# KiCad board FPGA_Board_BA.kicad_pcb (continued)
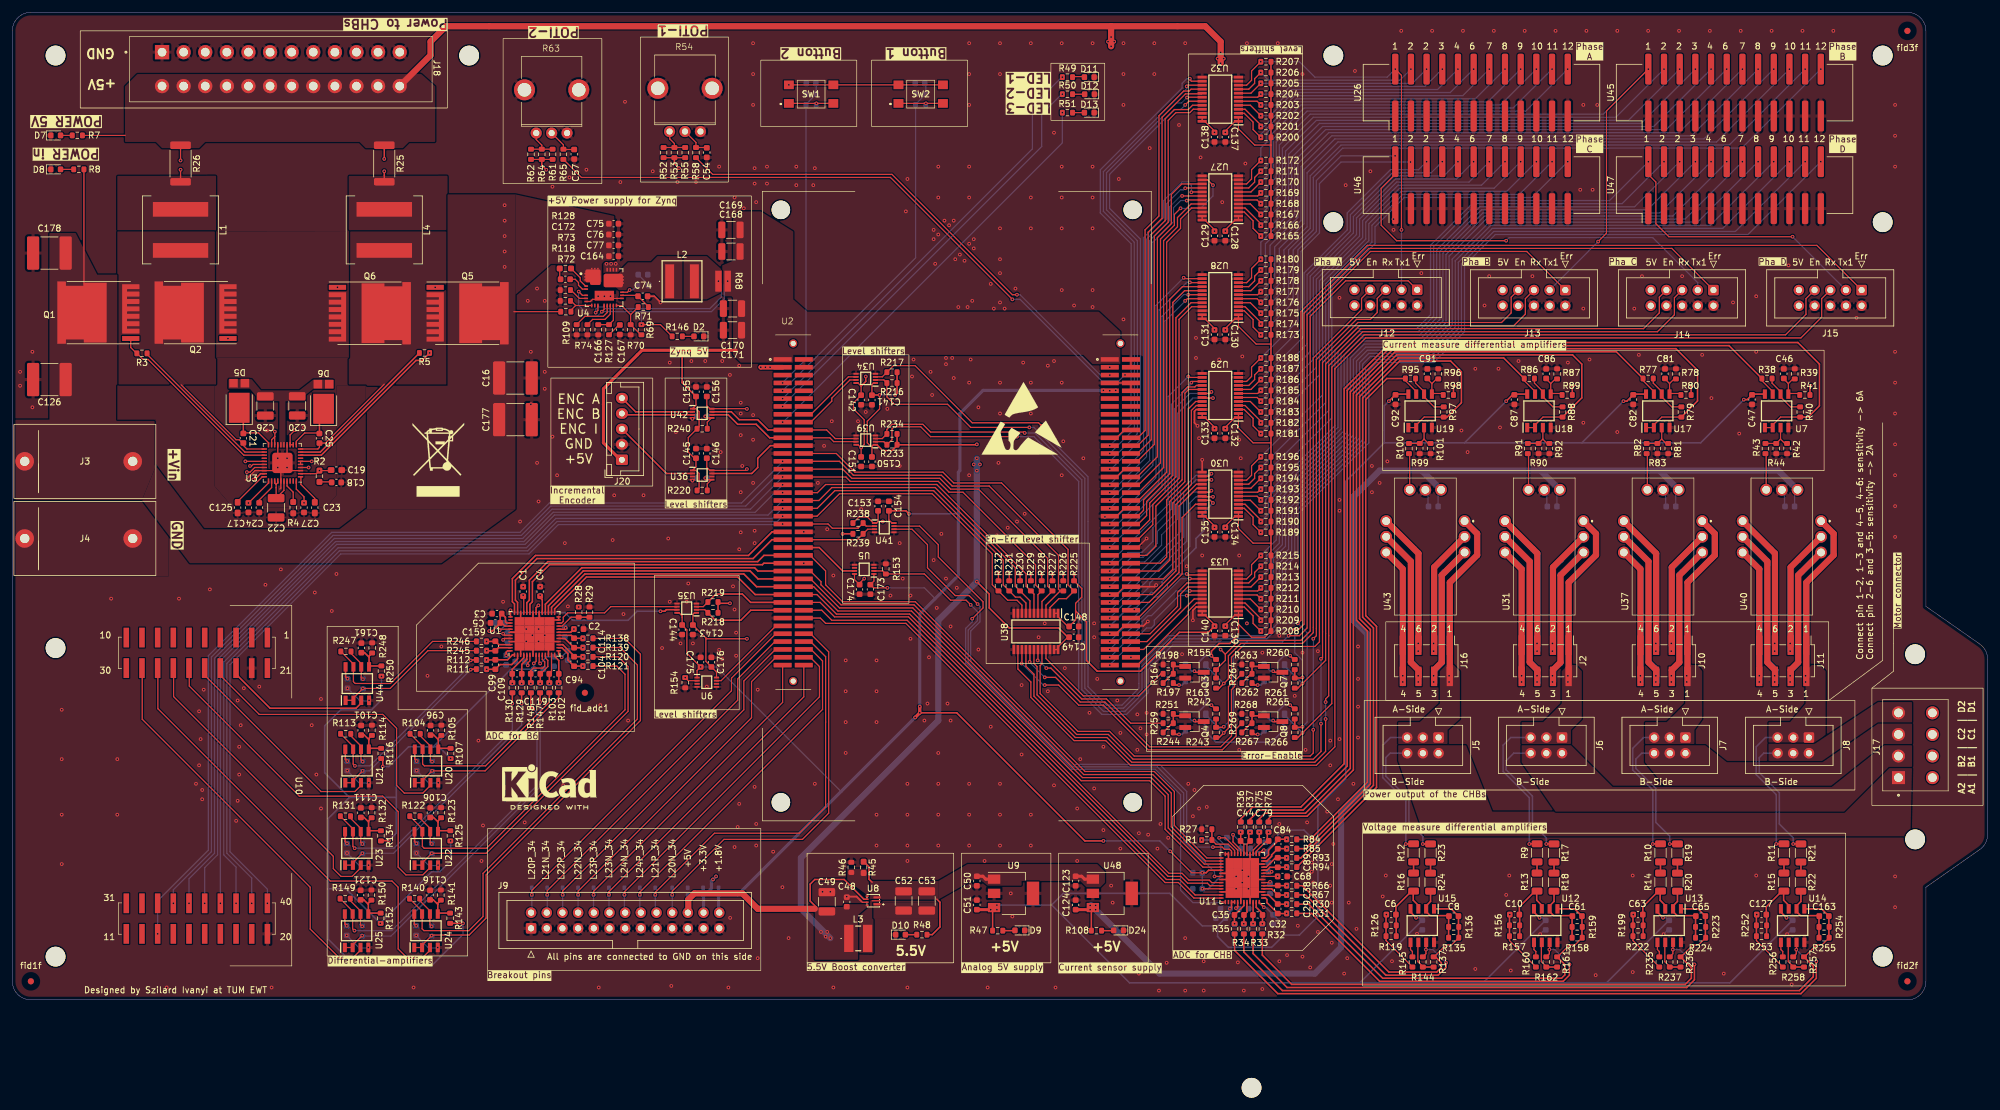
[diagram p0: board, top side]
## Footprints (pads in the part's own frame, mm; a bottom-side part is the same pattern mirrored in y, then rotated) (continued)
L_5u6_78439346056
  rect 5.5x1.45 smd: 1(-0.075,1.975) 2(-0.075,-2.025)
L_Coilcraft_XAL1010-XXX
  rect 2.38x9 smd: 1(-3.325,0) 2(3.325,0)
LED_0603_1608Metric
  rrect 0.875x0.95 smd: 1(-0.787,0) 2(0.787,0)
LT1819
  rect 1.526x0.65 smd: 1(-2.636,1.905) 2(-2.636,0.635) 3(-2.636,-0.635) 4(-2.636,-1.905) 5(2.788,-1.905) 6(2.788,-0.635) 7(2.788,0.635) 8(2.788,1.905)
MountingHole_3.2mm_M3
  round 3.2 hole 3.2 unplated: (0,0)
PinHeader_2x04_P2.54mm_Vertical_SMD
  rect 3.15x1 smd: 1(-2.525,3.81) 2(2.525,3.81) 3(-2.525,1.27) 4(2.525,1.27) 5(-2.525,-1.27) 6(2.525,-1.27) 7(-2.525,-3.81) 8(2.525,-3.81)
Plug_Terminal_2x4_Vertical
  rect 2.1x2.1 hole 1.4: 1(-5,2.7)
  round 2.1 hole 1.4: 2(-1.5,2.7) 3(2,2.7) 4(5.5,2.7) 5(-5,-2.8) 6(-1.5,-2.8) 7(2,-2.8) 8(5.5,-2.8)
PRL1632-R006-F-T1
  rect 1.05x3.4 smd: 1(-0.775,-0.05) 2(0.725,-0.05)
R_0603_1608Metric
  rrect 0.8x0.95 smd: 1(-0.825,0) 2(0.825,0)
R_0603_1608Metric_Pad0.98x0.95mm_HandSolder
  rrect 0.975x0.95 smd: 1(-0.912,0) 2(0.912,0)
R_1206_3216Metric
  rrect 1.125x1.75 smd: 1(-1.462,0) 2(1.462,0)
R_2512_6332Metric
  rrect 1.225x3.35 smd: 1(-2.962,0) 2(2.962,0)
RK09D1130A1N
  round 1.8 hole 1: 1(-2.5,-6.858) 2(0,-6.858) 3(2.5,-6.858)
  round 3.4 hole 2.2: 4(-4.4,0.142) 5(4.4,0.142)
RRX Package, 29-Pin VQFN
  rect 0.267x0.25 smd: 1(-3.116,2.3) 2(-3.116,1.8)
  rrect 2.5x2.1 smd: 1(-1.85,1.95)
  rrect 1.725x1.613 smd: 1(-1.462,1.294)
  rect 0.6x0.25 smd: 3(-2.95,1.3) 4(-2.95,0.3) 5(-2.95,-0.2) 6(-2.95,-1.2) 7(-2.95,-1.7) 8(-2.95,-2.2) 17(2.85,-1.7) 18(2.85,-1.2) 19(2.85,-0.7)
  rect 0.25x0.6 smd: 9(-2.05,-2.85) 10(-1.55,-2.85) 11(-1.05,-2.85) 12(-0.05,-2.85) 13(0.45,-2.85) 14(0.95,-2.85) 15(1.45,-2.85) 16(1.95,-2.85) 23(1.95,2.95) 24(1.45,2.95) 25(0.95,2.95) 26(0.45,2.95)
  rrect 3.1x2.2 smd: 20(1.45,1.2)
  rect 0.293x0.25 smd: 20(3.004,0.8) 21(3.004,1.3) 22(3.004,1.8)
  rect 0.25x0.258 smd: 27(-1.05,3.121) 28(-1.55,3.121) 29(-2.05,3.121)
  rect 3.125x1.584 smd: 30(-0.013,-1.258)
SBR10U200P5
  rect 4.86x3.36 smd: 1(-0.82,0)
  rect 1.4x1.39 smd: 2(3.162,0.92) 2(3.162,-0.92)
SN74LXC2T45QDCURQ1
  rect 0.85x0.3 smd: 1(-1.575,0.75) 2(-1.575,0.25) 3(-1.575,-0.25) 4(-1.575,-0.75) 5(1.575,-0.75) 6(1.575,-0.25) 7(1.575,0.25) 8(1.575,0.75)
SN74LXCH8T245
  rect 1.475x0.45 smd: 1(-3.01,3.575) 2(-3.01,2.925) 3(-3.01,2.275) 4(-3.01,1.625) 5(-3.01,0.975) 6(-3.01,0.325) 7(-3.01,-0.325) 8(-3.01,-0.975) 9(-3.01,-1.625) 10(-3.01,-2.275) 11(-3.01,-2.925) 12(-3.01,-3.575) 13(2.866,-3.575) 14(2.866,-2.925) 15(2.866,-2.275) 16(2.866,-1.625) 17(2.866,-0.975) 18(2.866,-0.325) 19(2.866,0.325) 20(2.866,0.975) 21(2.866,1.625) 22(2.866,2.275) 23(2.866,2.925) 24(2.866,3.575)
SOT-23_Handsoldering
  rect 1.9x0.8 smd: 1(-1.5,0.95) 2(-1.5,-0.95) 3(1.5,0)
SOT-223
  rect 2x1.5 smd: 1(-3.15,2.3) 2(-3.15,0) 3(-3.15,-2.3)
  rect 2x3.8 smd: 4(3.15,0)
Tamura_S22P006S05
  round 1.89 hole 1.26: 1(4.02,-6) 2(1.48,-6) 3(-1.06,-6) 4(-1.06,6.7) 5(1.48,6.7) 6(4.02,6.7) 7(9.1,2.89) 8(9.08,0.35) 9(9.1,-2.19)
TI_BOOSTXL_3PH
  rect 0.9x3.2 smd: 1(0,1.205) 2(-2.54,1.205) 3(-5.08,1.205) 4(-7.62,1.205) 5(-10.16,1.205) 6(-12.7,1.205) 7(-15.24,1.205) 8(-17.78,1.205) 9(-20.32,1.205) 10(-22.86,1.205) 11(-22.86,-46.805) 12(-20.32,-46.805) 13(-17.78,-46.805) 14(-15.24,-46.805) 15(-12.7,-46.805) 16(-10.16,-46.805) 17(-7.62,-46.805) 18(-5.08,-46.805) 19(-2.54,-46.805) 20(0,-46.805) 21(0,-3.745) 22(-2.54,-3.745) 23(-5.08,-3.745) 24(-7.62,-3.745) 25(-10.16,-3.745) 26(-12.7,-3.745) 27(-15.24,-3.745) 28(-17.78,-3.745) 29(-20.32,-3.745) 30(-22.86,-3.745) 31(-22.86,-41.855) 32(-20.32,-41.855) 33(-17.78,-41.855) 34(-15.24,-41.855) 35(-12.7,-41.855) 36(-10.16,-41.855) 37(-7.62,-41.855) 38(-5.08,-41.855) 39(-2.54,-41.855) 40(0,-41.855)
TL3305BF160QG
  rect 1.6x1.4 smd: 1(-3.6,-1.5) 2(3.6,-1.5) 3(-3.6,1.5) 4(3.6,1.5)
TPS61022
  rect 1.15x0.35 smd: 1(-0.65,0.55) 3(-0.65,-0.55)
  rect 1.45x0.2 smd: 2(-0.5,0)
  rect 0.45x0.25 smd: 4(0.95,-0.75) 5(0.95,-0.25) 6(0.95,0.25) 7(0.95,0.75)
UKG_52_7mm_8mm
  rect 0.7x0.25 smd: 1(-3.4,3.214) 2(-3.4,2.714) 3(-3.4,2.214) 4(-3.4,1.714) 5(-3.4,1.214) 6(-3.4,0.714) 7(-3.4,0.214) 8(-3.4,-0.286) 9(-3.4,-0.786) 10(-3.4,-1.286) 11(-3.4,-1.786) 12(-3.4,-2.286) 13(-3.4,-2.786) 14(-3.4,-3.286) 27(3.4,-3.286) 28(3.4,-2.786) 29(3.4,-2.286) 30(3.4,-1.786) 31(3.4,-1.286) 32(3.4,-0.786) 33(3.4,-0.286) 34(3.4,0.214) 35(3.4,0.714) 36(3.4,1.214) 37(3.4,1.714) 38(3.4,2.214) 39(3.4,2.714) 40(3.4,3.214)
  rect 0.25x0.7 smd: 15(-2.75,-3.936) 16(-2.25,-3.936) 17(-1.75,-3.936) 18(-1.25,-3.936) 19(-0.75,-3.936) 20(-0.25,-3.936) 21(0.25,-3.936) 22(0.75,-3.936) 23(1.25,-3.936) 24(1.75,-3.936) 25(2.25,-3.936) 26(2.75,-3.936) 41(2.75,3.864) 42(2.25,3.864) 43(1.75,3.864) 44(1.25,3.864) 45(0.75,3.864) 46(0.25,3.864) 47(-0.25,3.864) 48(-0.75,3.864) 49(-1.252,3.864) 50(-1.75,3.864) 51(-2.25,3.864) 52(-2.75,3.864)
  rect 1.353x1.613 smd: 53(-2.029,2.382) 53(-2.029,0.77) 53(-2.029,-0.843) 53(-2.029,-2.455) 53(-0.676,2.382) 53(-0.676,0.77) 53(-0.676,-0.843) 53(-0.676,-2.455) 53(0.676,2.382) 53(0.676,0.77) 53(0.676,-0.843) 53(0.676,-2.455) 53(2.029,2.382) 53(2.029,0.77) 53(2.029,-0.843) 53(2.029,-2.455)
VQFN 40 pin 5.8mm x 5.8mm
  rrect 0.875x0.25 smd: 1(-2.938,2.25) 2(-2.938,1.75) 3(-2.938,1.25) 4(-2.938,0.75) 5(-2.938,0.25) 6(-2.938,-0.25) 7(-2.938,-0.75) 8(-2.938,-1.25) 9(-2.938,-1.75) 10(-2.938,-2.25) 21(2.938,-2.25) 22(2.938,-1.75) 23(2.938,-1.25) 24(2.938,-0.75) 25(2.938,-0.25) 26(2.938,0.25) 27(2.938,0.75) 28(2.938,1.25) 29(2.938,1.75) 30(2.938,2.25)
  rrect 0.25x0.875 smd: 11(-2.25,-2.938) 12(-1.75,-2.938) 13(-1.25,-2.938) 14(-0.75,-2.938) 15(-0.25,-2.938) 16(0.25,-2.938) 17(0.75,-2.938) 18(1.25,-2.938) 19(1.75,-2.938) 20(2.25,-2.938) 31(2.25,2.938) 32(1.75,2.938) 33(1.25,2.938) 34(0.75,2.938) 35(0.25,2.938) 36(-0.25,2.938) 37(-0.75,2.938) 38(-1.25,2.938) 39(-1.75,2.938) 40(-2.25,2.938)
  rrect 3.3x3.3 smd: 41(0,0)
Zynq7020
  round 3 hole 3 unplated: (-2,49) (-2,-47) (55,49) (55,-47)
  round 1.3 hole 0.84: 81(0,27.355) 81(53,27.355) 82(0,-27.355) 82(53,-27.355)
  rect 2.92x0.74 smd: a1(-1.715,24.765) a2(1.715,24.765) a3(-1.715,23.495) a4(1.715,23.495) a5(-1.715,22.225) a6(1.715,22.225) a7(-1.715,20.955) a8(1.715,20.955) a9(-1.715,19.685) a10(1.715,19.685) a11(-1.715,18.415) a12(1.715,18.415) a13(-1.715,17.145) a14(1.715,17.145) a15(-1.715,15.875) a16(1.715,15.875) a17(-1.715,14.605) a18(1.715,14.605) a19(-1.715,13.335) a20(1.715,13.335) a21(-1.715,12.065) a22(1.715,12.065) a23(-1.715,10.795) a24(1.715,10.795) a25(-1.715,9.525) a26(1.715,9.525) a27(-1.715,8.255) a28(1.715,8.255) a29(-1.715,6.985) a30(1.715,6.985) a31(-1.715,5.715) a32(1.715,5.715) a33(-1.715,4.445) a34(1.715,4.445) a35(-1.715,3.175) a36(1.715,3.175) a37(-1.715,1.905) a38(1.715,1.905) a39(-1.715,0.635) a40(1.715,0.635) a41(-1.715,-0.635) a42(1.715,-0.635) a43(-1.715,-3.175) a44(1.715,-3.175) a45(-1.715,-1.905) a46(1.715,-1.905) a47(-1.715,-4.445) a48(1.715,-4.445) a49(-1.715,-5.715) a50(1.715,-5.715) a51(-1.715,-6.985) a52(1.715,-6.985) a53(-1.715,-8.255) a54(1.715,-8.255) a55(-1.715,-9.525) a56(1.715,-9.525) a57(-1.715,-10.795) a58(1.715,-10.795) a59(-1.715,-13.335) a60(1.715,-12.065) a61(-1.715,-12.065) a62(1.715,-13.335) a63(-1.715,-14.605) a64(1.715,-14.605) a65(-1.715,-15.875) a66(1.715,-15.875) a67(-1.715,-17.145) a68(1.715,-18.415) a69(-1.715,-18.415) a70(1.715,-17.145) a71(-1.715,-19.685) a72(1.715,-19.685) a73(-1.715,-20.955) a74(1.715,-20.955) a75(-1.715,-22.225) a76(1.715,-22.225) a77(-1.715,-23.495) a78(1.715,-23.495) a79(-1.715,-24.765) a80(1.715,-24.765) b1(51.285,24.765) b2(54.715,24.765) b3(51.285,23.495) b4(54.715,23.495) b5(51.285,22.225) b6(54.715,22.225) b7(51.285,20.955) b8(54.715,20.955) b9(51.285,19.685) b10(54.715,19.685) b11(51.285,18.415) b12(54.715,18.415) b13(51.285,17.145) b14(54.715,17.145) b15(51.285,15.875) b16(54.715,15.875) b17(51.285,14.605) b18(54.715,14.605) b19(51.285,13.335) b20(54.715,13.335) b21(51.285,12.065) b22(54.715,12.065) b23(51.285,10.795) b24(54.715,10.795) b25(51.285,9.525) b26(54.715,9.525) b27(51.285,8.255) b28(54.715,8.255) b29(51.285,6.985) b30(54.715,6.985) b31(51.285,5.715) b32(54.715,5.715) b33(51.285,4.445) b34(54.715,4.445) b35(51.285,3.175) b36(54.715,3.175) b37(51.285,1.905) b38(54.715,1.905) b39(51.285,0.635) b40(54.715,0.635) b41(51.285,-0.635) b42(54.715,-0.635) b43(51.285,-1.905) b44(54.715,-1.905) b45(51.285,-3.175) b46(54.715,-3.175) b47(51.285,-4.445) b48(54.715,-4.445) b49(51.285,-5.715) b50(54.715,-5.715) b51(51.285,-6.985) b52(54.715,-6.985) b53(51.285,-8.255) b54(54.715,-8.255) b55(51.285,-9.525) b56(54.715,-9.525) b57(51.285,-10.795) b58(54.715,-10.795) b59(51.285,-12.065) b60(54.715,-12.065) b61(51.285,-13.335) b62(54.715,-13.335) b63(51.285,-14.605) b64(54.715,-14.605) b65(51.285,-15.875) b66(54.715,-15.875) b67(51.285,-17.145) b68(54.715,-17.145) b69(51.285,-18.415) b70(54.715,-18.415) b71(51.285,-19.685) b72(54.715,-19.685) b73(51.285,-20.955) b74(54.715,-20.955) b75(51.285,-22.225) b76(54.715,-22.225) b77(51.285,-23.495) b78(54.715,-24.765) b79(51.285,-24.765) b80(54.715,-23.495)

## Nets
+1V8: C1.1 C4.1 C59.1 C67.1 C144.1 C154.1 C173.2 C175.2 D4.1 J9.26 R1.2 R28.2 U1.31 U1.37 U2.b9 U5.1 U6.1 U11.31 U11.37 U35.8 U41.8
+3.3V: C129.1 C131.1 C133.1 C135.1 C138.1 C140.1 C142.1 C143.2 C146.1 C148.2 C151.1 C153.2 C156.1 C174.1 C176.1 D3.1 J9.24 R218.1 R219.1 R225.1 R226.1 R227.1 R228.1 R229.1 R230.1 R231.1 R232.1 R238.1 R239.1 SW1.3 SW1.4 SW2.3 SW2.4 U2.a3 U2.b3 U5.8 U6.8 U27.23 U27.24 U28.23 U28.24 U29.23 U29.24 U30.23 U30.24 U32.23 U32.24 U33.23 U33.24 U34.8 U35.1 U36.8 U38.1 U38.2 U39.8 U41.1 U42.8
+5V: C48.1 C49.1 C128.2 C130.2 C132.2 C134.2 C137.2 C139.2 C141.2 C149.1 C150.2 D1.1 D25.2 D28.2 D30.2 D32.2 J9.22 J12.9 J12.10 J13.9 J13.10 J14.9 J14.10 J15.9 J15.10 J18.2 J18.4 J18.6 J18.8 J18.10 J18.12 J18.14 J18.16 J18.18 J18.20 J18.22 J18.24 L3.1 R7.1 R25.1 R26.1 R155.1 R165.1 R166.1 R167.1 R168.1 R169.1 R170.1 R171.1 R172.1 R173.1 R174.1 R175.1 R176.1 R177.1 R178.1 R179.1 R180.1 R181.1 R182.1 R183.1 R184.1 R185.1 R186.1 R187.1 R188.1 R189.1 R190.1 R191.1 R192.1 R193.1 R194.1 R195.1 R196.1 R200.1 R201.1 R202.1 R203.1 R204.1 R205.1 R206.1 R207.1 R208.1 R209.1 R210.1 R211.1 R212.1 R213.1 R214.1 R215.1 R216.1 R217.1 R233.1 R234.1 R242.1 R260.1 R265.1 U3.5 U3.6 U3.26 U8.5 U8.7 U27.1 U27.2 U28.1 U28.2 U29.1 U29.2 U30.1 U30.2 U32.1 U32.2 U33.1 U33.2 U34.1 U38.23 U38.24 U39.1
+5V_Zynq: C145.2 C155.2 C168.2 C169.2 C170.2 C171.2 J20.1 R68.2 R69.1 R146.1 R220.1 R240.1 U2.a1 U2.b1 U4.6 U4.12 U36.1 U42.1
+5VA: C2.1 C3.1 C5.1 C7.1 C9.1 C40.2 C41.2 C42.2 C47.1 C51.1 C58.1 C60.1 C62.1 C64.1 C66.1 C73.2 C82.1 C87.1 C92.1 C97.1 C102.1 C107.1 C112.1 C117.1 C122.1 C162.1 R47.1 R52.1 R53.1 R55.1 R61.1 R62.1 R64.1 U1.15 U1.21 U1.43 U1.44 U1.52 U7.8 U9.3 U11.15 U11.21 U11.43 U11.44 U11.52 U12.4 U13.4 U14.4 U15.4 U17.8 U18.8 U19.8 U20.8 U21.8 U22.8 U23.8 U24.8 U25.8 U44.8
+5VA_2: C124.1 C136.2 C147.2 C152.2 C157.2 R108.1 U31.9 U37.9 U40.9 U43.9 U48.3
/Analog Voltage/5.5V: C50.1 C52.1 C53.1 C123.1 R45.1 R48.1 U8.3 U9.1 U48.1
/Main_DCDC/Vin: C16.1 C17.1 C27.1 C75.1 C76.1 C77.1 C126.1 C164.1 C177.1 C178.1 J3.1 Q1.3 Q5.3 R8.1 R72.1 U3.25 U3.31 U3.40 U4.1 U4.2 U4.3 U4.27 U4.28 U4.29
GND: C1.2 C2.2 C3.2 C4.2 C5.2 C7.2 C9.2 C11.2 C12.1 C13.1 C14.1 C15.1 C16.2 C17.2 C18.2 C19.2 C20.2 C22.2 C23.2 C24.2 C26.2 C27.2 C28.2 C30.2 C31.2 C33.2 C34.2 C36.2 C37.2 C39.2 C40.1 C41.1 C42.1 C43.2 C45.2 C46.2 C47.2 C48.2 C49.2 C50.2 C51.2 C52.2 C53.2 C54.2 C55.2 C56.2 C57.2 C58.2 C59.2 C60.2 C62.2 C64.2 C66.2 C67.2 C68.2 C69.1 C70.1 C71.1 C72.1 C73.1 C74.2 C75.2 C76.2 C77.2 C78.2 C80.2 C81.2 C82.2 C83.2 C85.2 C86.2 C87.2 C88.2 C90.2 C91.2 C92.2 C93.2 C95.2 C96.2 C97.2 C98.2 C100.2 C101.2 C102.2 C103.2 C105.2 C106.2 C107.2 C108.2 C110.2 C111.2 C112.2 C113.2 C115.2 C116.2 C117.2 C118.2 C120.2 C121.2 C122.2 C123.2 C124.2 C125.2 C126.2 C128.1 C129.2 C130.1 C131.2 C132.1 C133.2 C134.1 C135.2 C136.1 C137.1 C138.2 C139.1 C140.2 C141.1 C142.2 C143.1 C144.2 C145.1 C146.2 C147.1 C148.1 C149.2 C150.1 C151.2 C152.1 C153.1 C154.2 C155.1 C156.2 C157.1 C158.2 C160.2 C161.2 C162.2 C164.2 C165.2 C166.1 C167.2 C168.1 C169.1 C170.1 C171.1 C173.1 C174.2 C175.1 C176.2 C177.2 C178.2 D1.2 D2.1 D3.2 D4.2 D7.1 D8.1 D9.1 D10.1 D11.1 D12.1 D13.1 D14.2 D15.2 D16.2 D17.2 D18.2 D19.2 D20.2 D21.2 D22.2 D23.2 D24.1 J4.1 J9.1 J9.3 J9.5 J9.7 J9.9 J9.11 J9.13 J9.15 J9.17 J9.19 J9.21 J9.23 J9.25 J12.2 J12.4 J12.6 J12.8 J13.2 J13.4 J13.6 J13.8 J14.2 J14.4 J14.6 J14.8 J15.2 J15.4 J15.6 J15.8 J18.1 J18.3 J18.5 J18.7 J18.9 J18.11 J18.13 J18.15 J18.17 J18.19 J18.21 J18.23 J20.2 Q2.2 Q3.2 Q4.2 Q6.2 Q7.2 Q8.2 R4.1 R6.2 R27.2 R29.2 R39.1 R42.2 R44.2 R46.2 R54.3 R54.4 R54.5 R57.2 R60.2 R63.3 R63.4 R63.5 R70.2 R73.1 R74.1 R78.1 R81.2 R83.2 R87.1 R90.2 R92.2 R96.1 R99.2 R101.2 R105.1 R109.1 R110.2 R114.1 R118.1 R123.1 R132.1 R141.1 R150.1 R153.2 R154.2 R198.2 R221.1 R241.1 R248.1 R251.2 R263.2 R268.2 U1.3 U1.7 U1.12 U1.18 U1.25 U1.26 U1.32 U1.34 U1.38 U1.46 U1.49 U1.53 U2.a2 U2.a4 U2.a24 U2.a25 U2.a34 U2.a35 U2.a44 U2.a54 U2.a67 U2.a68 U2.b2 U2.b4 U2.b7 U2.b8 U2.b10 U2.b20 U2.b21 U2.b30 U2.b31 U2.b40 U2.b41 U2.b50 U2.b60 U2.b61 U2.b70 U2.b71 U2.b80 U3.3 U3.14 U3.17 U3.28 U3.35 U3.41 U4.8 U4.17 U4.23 U4.24 U4.25 U4.26 U4.30 U5.4 U5.5 U6.4 U6.5 U7.4 U8.1 U8.6 U9.2 U9.4 U10.20 U10.22 U11.3 U11.7 U11.12 U11.18 U11.25 U11.26 U11.32 U11.34 U11.38 U11.46 U11.49 U11.53 U12.8 U13.8 U14.8 U15.8 U17.4 U18.4 U19.4 U20.4 U21.4 U22.4 U23.4 U24.4 U25.4 U26.1 U26.3 U26.5 U26.7 U26.9 U26.11 U26.13 U26.15 U26.17 U26.19 U26.21 U26.23 U27.11 U27.12 U27.13 U27.22 U28.11 U28.12 U28.13 U28.22 U29.11 U29.12 U29.13 U29.22 U30.11 U30.12 U30.13 U30.22 U31.8 U32.11 U32.12 U32.13 U32.22 U33.11 U33.12 U33.13 U33.22 U34.4 U34.5 U35.4 U35.5 U36.4 U37.8 U38.11 U38.12 U38.13 U38.22 U39.4 U39.5 U40.8 U41.4 U41.5 U42.4 U43.8 U44.4 U45.1 U45.3 U45.5 U45.7 U45.9 U45.11 U45.13 U45.15 U45.17 U45.19 U45.21 U45.23 U46.1 U46.3 U46.5 U46.7 U46.9 U46.11 U46.13 U46.15 U46.17 U46.19 U46.21 U46.23 U47.1 U47.3 U47.5 U47.7 U47.9 U47.11 U47.13 U47.15 U47.17 U47.19 U47.21 U47.23 U48.2 U48.4
/ADC for B6/CLK_IN: R218.2 U2.a65 U35.2
/ADC for B6/CLK_OUT: U2.a69 U6.7
/ADC for B6/Diffamp_1/Ain+: C158.1 C159.1 R245.1 U1.51
/ADC for B6/Diffamp_1/Ain-: C159.2 C160.1 R246.1 U1.50
/ADC for B6/Diffamp_2/Ain+: C93.1 C94.1 R102.1 U1.14
/ADC for B6/Diffamp_2/Ain-: C94.2 C95.1 R103.1 U1.13
/ADC for B6/Diffamp_3/Ain+: C98.1 C99.1 R111.1 U1.2
/ADC for B6/Diffamp_3/Ain-: C99.2 C100.1 R112.1 U1.1
/ADC for B6/Diffamp_4/Ain+: C103.1 C104.1 R120.1 U1.17
/ADC for B6/Diffamp_4/Ain-: C104.2 C105.1 R121.1 U1.16
/ADC for B6/Diffamp_5/Ain+: C108.1 C109.1 R129.1 U1.5
/ADC for B6/Diffamp_5/Ain-: C109.2 C110.1 R130.1 U1.4
/ADC for B6/Diffamp_6/Ain+: C113.1 C114.1 R138.1 U1.20
/ADC for B6/Diffamp_6/Ain-: C114.2 C115.1 R139.1 U1.19
/ADC for B6/Diffamp_7/Ain+: C118.1 C119.1 R147.1 U1.11
/ADC for B6/Diffamp_7/Ain-: C119.2 C120.1 R148.1 U1.10
/ADC for B6/I_A: U10.27 U23.3
/ADC for B6/I_B: U10.28 U24.3
/ADC for B6/I_C: U10.29 U25.3
/ADC for B6/Level Shift for DIO/B1: U1.41 U35.7
/ADC for B6/Level Shift for DIO/B2: U1.24 U35.6
/ADC for B6/LS CLKOUT/A1: R154.1 U1.33 U6.2
/ADC for B6/SDO1: U1.27 U2.a59
/ADC for B6/SDO2: U1.28 U2.a61
/ADC for B6/SDO3: U1.29 U2.a57
/ADC for B6/SDO4: U1.30 U2.a55
/ADC for B6/SDO5: U1.35 U2.a53
/ADC for B6/SDO6: U1.36 U2.a51
/ADC for B6/SDO7: U1.39 U2.a47
/ADC for B6/SDO8: U1.40 U2.a43
/ADC for B6/V_A: U10.24 U20.3
/ADC for B6/V_B: U10.25 U21.3
/ADC for B6/V_C: U10.26 U22.3
/ADC for B6/V_DC: U10.23 U44.3
/ADC for B6/~{CNV}: R219.2 U2.a63 U35.3
/ADC for Machine/CLK_IN_1: R238.2 U2.a46 U41.2
/ADC for Machine/CLK_OUT_1: U2.a50 U5.7
/ADC for Machine/Diffamp5/Ain+: C43.1 C44.1 R36.1 U11.20
/ADC for Machine/Diffamp5/Ain-: C44.2 C45.1 R37.1 U11.19
/ADC for Machine/Diffamp6/Ain+: C78.1 C79.1 R75.1 U11.17
/ADC for Machine/Diffamp6/Ain-: C79.2 C80.1 R76.1 U11.16
/ADC for Machine/Diffamp7/Ain+: C83.1 C84.1 R84.1 U11.14
/ADC for Machine/Diffamp7/Ain-: C84.2 C85.1 R85.1 U11.13
/ADC for Machine/Diffamp8/Ain+: C88.1 C89.1 R93.1 U11.11
/ADC for Machine/Diffamp8/Ain-: C89.2 C90.1 R94.1 U11.10
/ADC for Machine/Iin_a: R100.1 U43.7
/ADC for Machine/Iin_b: R91.1 U31.7
/ADC for Machine/Iin_c: R82.1 U37.7
/ADC for Machine/Iin_d: R43.1 U40.7
/ADC for Machine/Level Shift for DIO/B1: U11.41 U41.7
/ADC for Machine/Level Shift for DIO/B2: U11.24 U41.6
/ADC for Machine/LS CLKOUT/A1: R153.1 U5.2 U11.33
/ADC for Machine/PHA_V+: C37.1 C38.1 R66.1 U11.5
/ADC for Machine/PHA_V-: C38.2 C39.1 R67.1 U11.4
/ADC for Machine/PHB_V+: C28.1 C29.1 R30.1 U11.2
/ADC for Machine/PHB_V-: C29.2 C30.1 R31.1 U11.1
/ADC for Machine/PHC_V+: C31.1 C32.1 R32.1 U11.51
/ADC for Machine/PHC_V-: C32.2 C33.1 R33.1 U11.50
/ADC for Machine/PHD_V+: C34.1 C35.1 R34.1 U11.48
/ADC for Machine/PHD_V-: C35.2 C36.1 R35.1 U11.47
/ADC for Machine/SDO1_1: U2.a52 U11.27
/ADC for Machine/SDO2_1: U2.a56 U11.28
/ADC for Machine/SDO3_1: U2.a58 U11.29
/ADC for Machine/SDO4_1: U2.a60 U11.30
/ADC for Machine/SDO5_1: U2.a62 U11.35
/ADC for Machine/SDO6_1: U2.a64 U11.36
/ADC for Machine/SDO7_1: U2.a66 U11.39
/ADC for Machine/SDO8_1: U2.a70 U11.40
/ADC for Machine/~{CNV}_1: R239.2 U2.a48 U41.3
/CHB Communication/En-Err-circuit-1/En_in: R164.2 U38.21
/CHB Communication/En-Err-circuit-1/En_out: D26.2 J12.7 R163.2
/CHB Communication/En-Err-circuit-1/Err: J12.1 R155.2 R163.1 R233.2 U39.2
/CHB Communication/En-Err-circuit-2/En_in: R259.2 U38.19
/CHB Communication/En-Err-circuit-2/En_out: D27.2 J13.7 R243.2
/CHB Communication/En-Err-circuit-2/Err: J13.1 R234.2 R242.2 R243.1 U39.3
/CHB Communication/En-Err-circuit-3/En_in: R264.2 U38.17
/CHB Communication/En-Err-circuit-3/En_out: D29.2 J14.7 R261.2
/CHB Communication/En-Err-circuit-3/Err: J14.1 R216.2 R260.2 R261.1 U34.2
/CHB Communication/En-Err-circuit-4/En_in: R269.2 U38.15
/CHB Communication/En-Err-circuit-4/En_out: D31.2 J15.7 R266.2
/CHB Communication/En-Err-circuit-4/Err: J15.1 R217.2 R265.2 R266.1 U34.3
/CHB Communication/En_Ph1: R225.2 U2.a26 U38.3
/CHB Communication/En_Ph2: R227.2 U2.a30 U38.5
/CHB Communication/En_Ph3: R229.2 U2.a36 U38.7
/CHB Communication/En_Ph4: R231.2 U2.a40 U38.9
/CHB Communication/Err_Ph1: U2.a22 U39.7
/CHB Communication/Err_Ph2: U2.a20 U39.6
/CHB Communication/Err_Ph3: U2.a18 U34.7
/CHB Communication/Err_Ph4: U2.a16 U34.6
/CHB Communication/Level_Shifter_8bit_1/A1: R200.2 U26.16 U32.3
/CHB Communication/Level_Shifter_8bit_1/A2: R201.2 U26.14 U32.4
/CHB Communication/Level_Shifter_8bit_1/A3: R202.2 U26.12 U32.5
/CHB Communication/Level_Shifter_8bit_1/A4: R203.2 U26.10 U32.6
/CHB Communication/Level_Shifter_8bit_1/A5: R204.2 U26.8 U32.7
/CHB Communication/Level_Shifter_8bit_1/A6: R205.2 U26.6 U32.8
/CHB Communication/Level_Shifter_8bit_1/A7: R206.2 U26.4 U32.9
/CHB Communication/Level_Shifter_8bit_2/A1: R165.2 U27.3 U45.8
/CHB Communication/Level_Shifter_8bit_2/A2: R166.2 U27.4 U45.6
/CHB Communication/Level_Shifter_8bit_2/A3: R167.2 U27.5 U45.4
/CHB Communication/Level_Shifter_8bit_2/A5: R169.2 U26.24 U27.7
/CHB Communication/Level_Shifter_8bit_2/A6: R170.2 U26.22 U27.8
/CHB Communication/Level_Shifter_8bit_2/A7: R171.2 U26.20 U27.9
/CHB Communication/Level_Shifter_8bit_2/A8: R172.2 U26.18 U27.10
/CHB Communication/Level_Shifter_8bit_3/A1: R173.2 U28.3 U45.24
/CHB Communication/Level_Shifter_8bit_3/A2: R174.2 U28.4 U45.22
/CHB Communication/Level_Shifter_8bit_3/A3: R175.2 U28.5 U45.20
/CHB Communication/Level_Shifter_8bit_3/A4: R176.2 U28.6 U45.18
/CHB Communication/Level_Shifter_8bit_3/A5: R177.2 U28.7 U45.16
/CHB Communication/Level_Shifter_8bit_3/A6: R178.2 U28.8 U45.14
/CHB Communication/Level_Shifter_8bit_3/A7: R179.2 U28.9 U45.12
/CHB Communication/Level_Shifter_8bit_3/A8: R180.2 U28.10 U45.10
/CHB Communication/Level_Shifter_8bit_4/A1: R181.2 U29.3 U46.16
/CHB Communication/Level_Shifter_8bit_4/A2: R182.2 U29.4 U46.14
/CHB Communication/Level_Shifter_8bit_4/A3: R183.2 U29.5 U46.12
/CHB Communication/Level_Shifter_8bit_4/A4: R184.2 U29.6 U46.10
/CHB Communication/Level_Shifter_8bit_4/A5: R185.2 U29.7 U46.8
/CHB Communication/Level_Shifter_8bit_4/A6: R186.2 U29.8 U46.6
/CHB Communication/Level_Shifter_8bit_4/A7: R187.2 U29.9 U46.4
/CHB Communication/Level_Shifter_8bit_5/A1: R189.2 U30.3 U47.8
/CHB Communication/Level_Shifter_8bit_5/A2: R190.2 U30.4 U47.6
/CHB Communication/Level_Shifter_8bit_5/A3: R191.2 U30.5 U47.4
/CHB Communication/Level_Shifter_8bit_5/A5: R193.2 U30.7 U46.24
/CHB Communication/Level_Shifter_8bit_5/A6: R194.2 U30.8 U46.22
/CHB Communication/Level_Shifter_8bit_5/A7: R195.2 U30.9 U46.20
/CHB Communication/Level_Shifter_8bit_5/A8: R196.2 U30.10 U46.18
/CHB Communication/Level_Shifter_8bit_6/A1: R208.2 U33.3 U47.24
/CHB Communication/Level_Shifter_8bit_6/A2: R209.2 U33.4 U47.22
/CHB Communication/Level_Shifter_8bit_6/A3: R210.2 U33.5 U47.20
/CHB Communication/Level_Shifter_8bit_6/A4: R211.2 U33.6 U47.18
/CHB Communication/Level_Shifter_8bit_6/A5: R212.2 U33.7 U47.16
/CHB Communication/Level_Shifter_8bit_6/A6: R213.2 U33.8 U47.14
/CHB Communication/Level_Shifter_8bit_6/A7: R214.2 U33.9 U47.12
/CHB Communication/Level_Shifter_8bit_6/A8: R215.2 U33.10 U47.10
/CHB Communication/Level_shifter_Rx_En/B2: J12.5 U38.20
/CHB Communication/Level_shifter_Rx_En/B4: J13.5 U38.18
/CHB Communication/Level_shifter_Rx_En/B6: J14.5 U38.16
/CHB Communication/Level_shifter_Rx_En/B8: J15.5 U38.14
/CHB Communication/Ph_A_Tx1: U2.b23 U32.14
/CHB Communication/Ph_A_Tx1_5V: J12.3 R207.2 U26.2 U32.10
/CHB Communication/Ph_A_Tx2: U2.b25 U32.15
/CHB Communication/Ph_A_Tx3: U2.b22 U32.16
/CHB Communication/Ph_A_Tx4: U2.b24 U32.17
/CHB Communication/Ph_A_Tx5: U2.b27 U32.18
/CHB Communication/Ph_A_Tx6: U2.b29 U32.19
/CHB Communication/Ph_A_Tx7: U2.b26 U32.20
/CHB Communication/Ph_A_Tx8: U2.b28 U32.21
/CHB Communication/Ph_A_Tx9: U2.b34 U27.14
/CHB Communication/Ph_A_Tx10: U2.b32 U27.15
/CHB Communication/Ph_A_Tx11: U2.b35 U27.16
/CHB Communication/Ph_A_Tx12: U2.b33 U27.17
/CHB Communication/Ph_B_Tx1: U2.b37 U27.18
/CHB Communication/Ph_B_Tx1_5V: J13.3 R168.2 U27.6 U45.2
/CHB Communication/Ph_B_Tx2: U2.b39 U27.19
/CHB Communication/Ph_B_Tx3: U2.b36 U27.20
/CHB Communication/Ph_B_Tx4: U2.b38 U27.21
/CHB Communication/Ph_B_Tx5: U2.b43 U28.14
/CHB Communication/Ph_B_Tx6: U2.b45 U28.15
/CHB Communication/Ph_B_Tx7: U2.b42 U28.16
/CHB Communication/Ph_B_Tx8: U2.b44 U28.17
/CHB Communication/Ph_B_Tx9: U2.b47 U28.18
/CHB Communication/Ph_B_Tx10: U2.b49 U28.19
/CHB Communication/Ph_B_Tx11: U2.b46 U28.20
/CHB Communication/Ph_B_Tx12: U2.b48 U28.21
/CHB Communication/Ph_C_Tx1: U2.b53 U29.14
/CHB Communication/Ph_C_Tx1_5V: J14.3 R188.2 U29.10 U46.2
/CHB Communication/Ph_C_Tx2: U2.b55 U29.15
/CHB Communication/Ph_C_Tx3: U2.b52 U29.16
/CHB Communication/Ph_C_Tx4: U2.b54 U29.17
/CHB Communication/Ph_C_Tx5: U2.b57 U29.18
/CHB Communication/Ph_C_Tx6: U2.b59 U29.19
/CHB Communication/Ph_C_Tx7: U2.b56 U29.20
/CHB Communication/Ph_C_Tx8: U2.b58 U29.21
/CHB Communication/Ph_C_Tx9: U2.b63 U30.14
/CHB Communication/Ph_C_Tx10: U2.b65 U30.15
/CHB Communication/Ph_C_Tx11: U2.b62 U30.16
/CHB Communication/Ph_C_Tx12: U2.b64 U30.17
/CHB Communication/Ph_D_Tx1: U2.b67 U30.18
/CHB Communication/Ph_D_Tx1_5V: J15.3 R192.2 U30.6 U47.2
/CHB Communication/Ph_D_Tx2: U2.b69 U30.19
/CHB Communication/Ph_D_Tx3: U2.b66 U30.20
/CHB Communication/Ph_D_Tx4: U2.b68 U30.21
/CHB Communication/Ph_D_Tx5: U2.b73 U33.14
/CHB Communication/Ph_D_Tx6: U2.b75 U33.15
/CHB Communication/Ph_D_Tx7: U2.b72 U33.16
/CHB Communication/Ph_D_Tx8: U2.b74 U33.17
/CHB Communication/Ph_D_Tx9: U2.b77 U33.18
/CHB Communication/Ph_D_Tx10: U2.b79 U33.19
/CHB Communication/Ph_D_Tx11: U2.b76 U33.20
/CHB Communication/Ph_D_Tx12: U2.b78 U33.21
/CHB Communication/Rx_Ph1: R226.2 U2.a28 U38.4
/CHB Communication/Rx_Ph2: R228.2 U2.a32 U38.6
/CHB Communication/Rx_Ph3: R230.2 U2.a38 U38.8
/CHB Communication/Rx_Ph4: R232.2 U2.a42 U38.10
/CHB to 3Ph/Ph_A2_out: J5.2 J5.4 J5.6 J17.1 R23.1
/CHB to 3Ph/Ph_B2_out: J6.2 J6.4 J6.6 J17.2 R17.1
/CHB to 3Ph/Ph_C2_out: J7.2 J7.4 J7.6 J17.3 R19.1
/CHB to 3Ph/Ph_D2_out: J8.2 J8.4 J8.6 J17.4 R21.1
/Current measure/Tamura_1/pin1: J5.1 J5.3 J5.5 J16.1 J16.2 R12.1 U43.1
/Current measure/Tamura_1/pin2: J16.3 U43.2
/Current measure/Tamura_1/pin3: J16.4 U43.3
/Current measure/Tamura_1/pin4: J16.7 J16.8 J17.5 U43.4
/Current measure/Tamura_1/pin5: J16.6 U43.5
/Current measure/Tamura_1/pin6: J16.5 U43.6
/Current measure/Tamura_2/pin1: J2.1 J2.2 J6.1 J6.3 J6.5 R9.1 U31.1
/Current measure/Tamura_2/pin2: J2.3 U31.2
/Current measure/Tamura_2/pin3: J2.4 U31.3
/Current measure/Tamura_2/pin4: J2.7 J2.8 J17.6 U31.4
/Current measure/Tamura_2/pin5: J2.6 U31.5
/Current measure/Tamura_2/pin6: J2.5 U31.6
/Current measure/Tamura_3/pin1: J7.1 J7.3 J7.5 J10.1 J10.2 R10.1 U37.1
/Current measure/Tamura_3/pin2: J10.3 U37.2
/Current measure/Tamura_3/pin3: J10.4 U37.3
/Current measure/Tamura_3/pin4: J10.7 J10.8 J17.7 U37.4
/Current measure/Tamura_3/pin5: J10.6 U37.5
/Current measure/Tamura_3/pin6: J10.5 U37.6
/Current measure/Tamura_4/pin1: J8.1 J8.3 J8.5 J11.1 J11.2 R11.1 U40.1
/Current measure/Tamura_4/pin2: J11.3 U40.2
/Current measure/Tamura_4/pin3: J11.4 U40.3
/Current measure/Tamura_4/pin4: J11.7 J11.8 J17.8 U40.4
/Current measure/Tamura_4/pin5: J11.6 U40.5
/Current measure/Tamura_4/pin6: J11.5 U40.6
/Encoder/ENC_A: U2.a19 U42.7
/Encoder/ENC_A_5V: J20.5 U42.2
/Encoder/ENC_B: U2.a21 U42.6
/Encoder/ENC_B_5V: J20.4 U42.3
/Encoder/ENC_I: U2.a23 U36.7
/Encoder/ENC_I_5V: J20.3 U36.2
/Encoder/Level Shifter Encoder 2/A2: U36.3
/Encoder/Level Shifter Encoder 2/B2: U36.6
/FPGA/B6_En: U2.a27 U10.13
/FPGA/Button1: C55.1 R56.2 R57.1 U2.a7
/FPGA/Button2: C56.1 R59.2 R60.1 U2.a9
/FPGA/Freepin1: D23.1 J9.20 U2.a72
/FPGA/Freepin2: D22.1 J9.18 U2.a74
/FPGA/Freepin3: D21.1 J9.16 U2.a76
/FPGA/Freepin4: D20.1 J9.14 U2.a78
/FPGA/Freepin5: D19.1 J9.12 U2.a80
/FPGA/Freepin6: D18.1 J9.10 U2.a79
/FPGA/Freepin7: D17.1 J9.8 U2.a77
/FPGA/Freepin8: D16.1 J9.6 U2.a75
/FPGA/Freepin9: D15.1 J9.4 U2.a73
/FPGA/Freepin10: D14.1 J9.2 U2.a71
/FPGA/OT: U2.a29 U10.34
/FPGA/Poti: R58.2 U2.b5
/FPGA/Poti2: R65.2 U2.b6
/FPGA/PWM_AH: U2.a45 U10.40
/FPGA/PWM_AL: U2.a41 U10.39
/FPGA/PWM_BH: U2.a39 U10.38
/FPGA/PWM_BL: U2.a37 U10.37
/FPGA/PWM_CH: U2.a33 U10.36
/FPGA/PWM_CL: U2.a31 U10.35
/Main_DCDC/Comp1: C19.1 R2.2 U3.2 U3.29
/Main_DCDC/Leg-1/Gate_H: Q1.1 R3.1 U3.23
/Main_DCDC/Leg-1/Gate_L: Q2.1 U3.18 U3.19
/Main_DCDC/Leg-1/R_I+: L1.1 R26.2 U3.27
/Main_DCDC/Leg-1/SW: C21.2 L1.2 Q1.2 Q2.3 U3.21
/Main_DCDC/Leg-2/Gate_H: Q5.1 R5.1 U3.8
/Main_DCDC/Leg-2/Gate_L: Q6.1 U3.12 U3.13
/Main_DCDC/Leg-2/R_I+: L4.1 R25.2 U3.4
/Main_DCDC/Leg-2/SW: C25.2 L4.2 Q5.2 Q6.3 U3.10
/Main_DCDC/Mode: C22.1 U3.33 U3.34 U3.36
/User Interaction/LED1: R49.1 U2.a11
/User Interaction/LED2: R50.1 U2.a13
/User Interaction/LED3: R51.1 U2.a17
/Zynq_5V/CBOOT: R128.2 U4.4
/Zynq_5V/FB: R69.2 R70.1 R71.1 U4.16
/Zynq_5V/SW_Boot: C172.2 U4.5
REFOUT_B6: C11.1 R107.2 R116.2 R125.2 R134.2 R143.2 R152.2 R250.2 U1.8
REFOUT_M: C6.2 C10.2 C63.2 C68.1 C127.2 R41.2 R80.2 R89.2 R98.2 R119.2 R126.2 R145.1 R156.2 R157.2 R160.1 R199.2 R222.2 R235.1 R252.2 R253.2 R256.1 U11.8
Net-(C8-Pad2): C8.2 R66.2 R135.2 R136.2 R137.1 U15.1
Net-(C18-Pad1): C18.1 R2.1
Net-(C54-Pad1): C54.1 R54.2 R58.1
Net-(C57-Pad1): C57.1 R63.2 R65.1
Net-(C61-Pad2): C61.2 R30.2 R158.2 R159.2 R161.1 U12.1
Net-(C65-Pad2): C65.2 R32.2 R223.2 R224.2 R236.1 U13.1
Net-(C163-Pad2): C163.2 R34.2 R254.2 R255.2 R257.1 U14.1
Net-(C165-Pad1): C165.1 R117.2
Net-(C167-Pad1): C167.1 R127.1